# Altium PCB CU-ON-OFF-V2-08-11-18.PcbDoc (part 5 of 14) (continued)
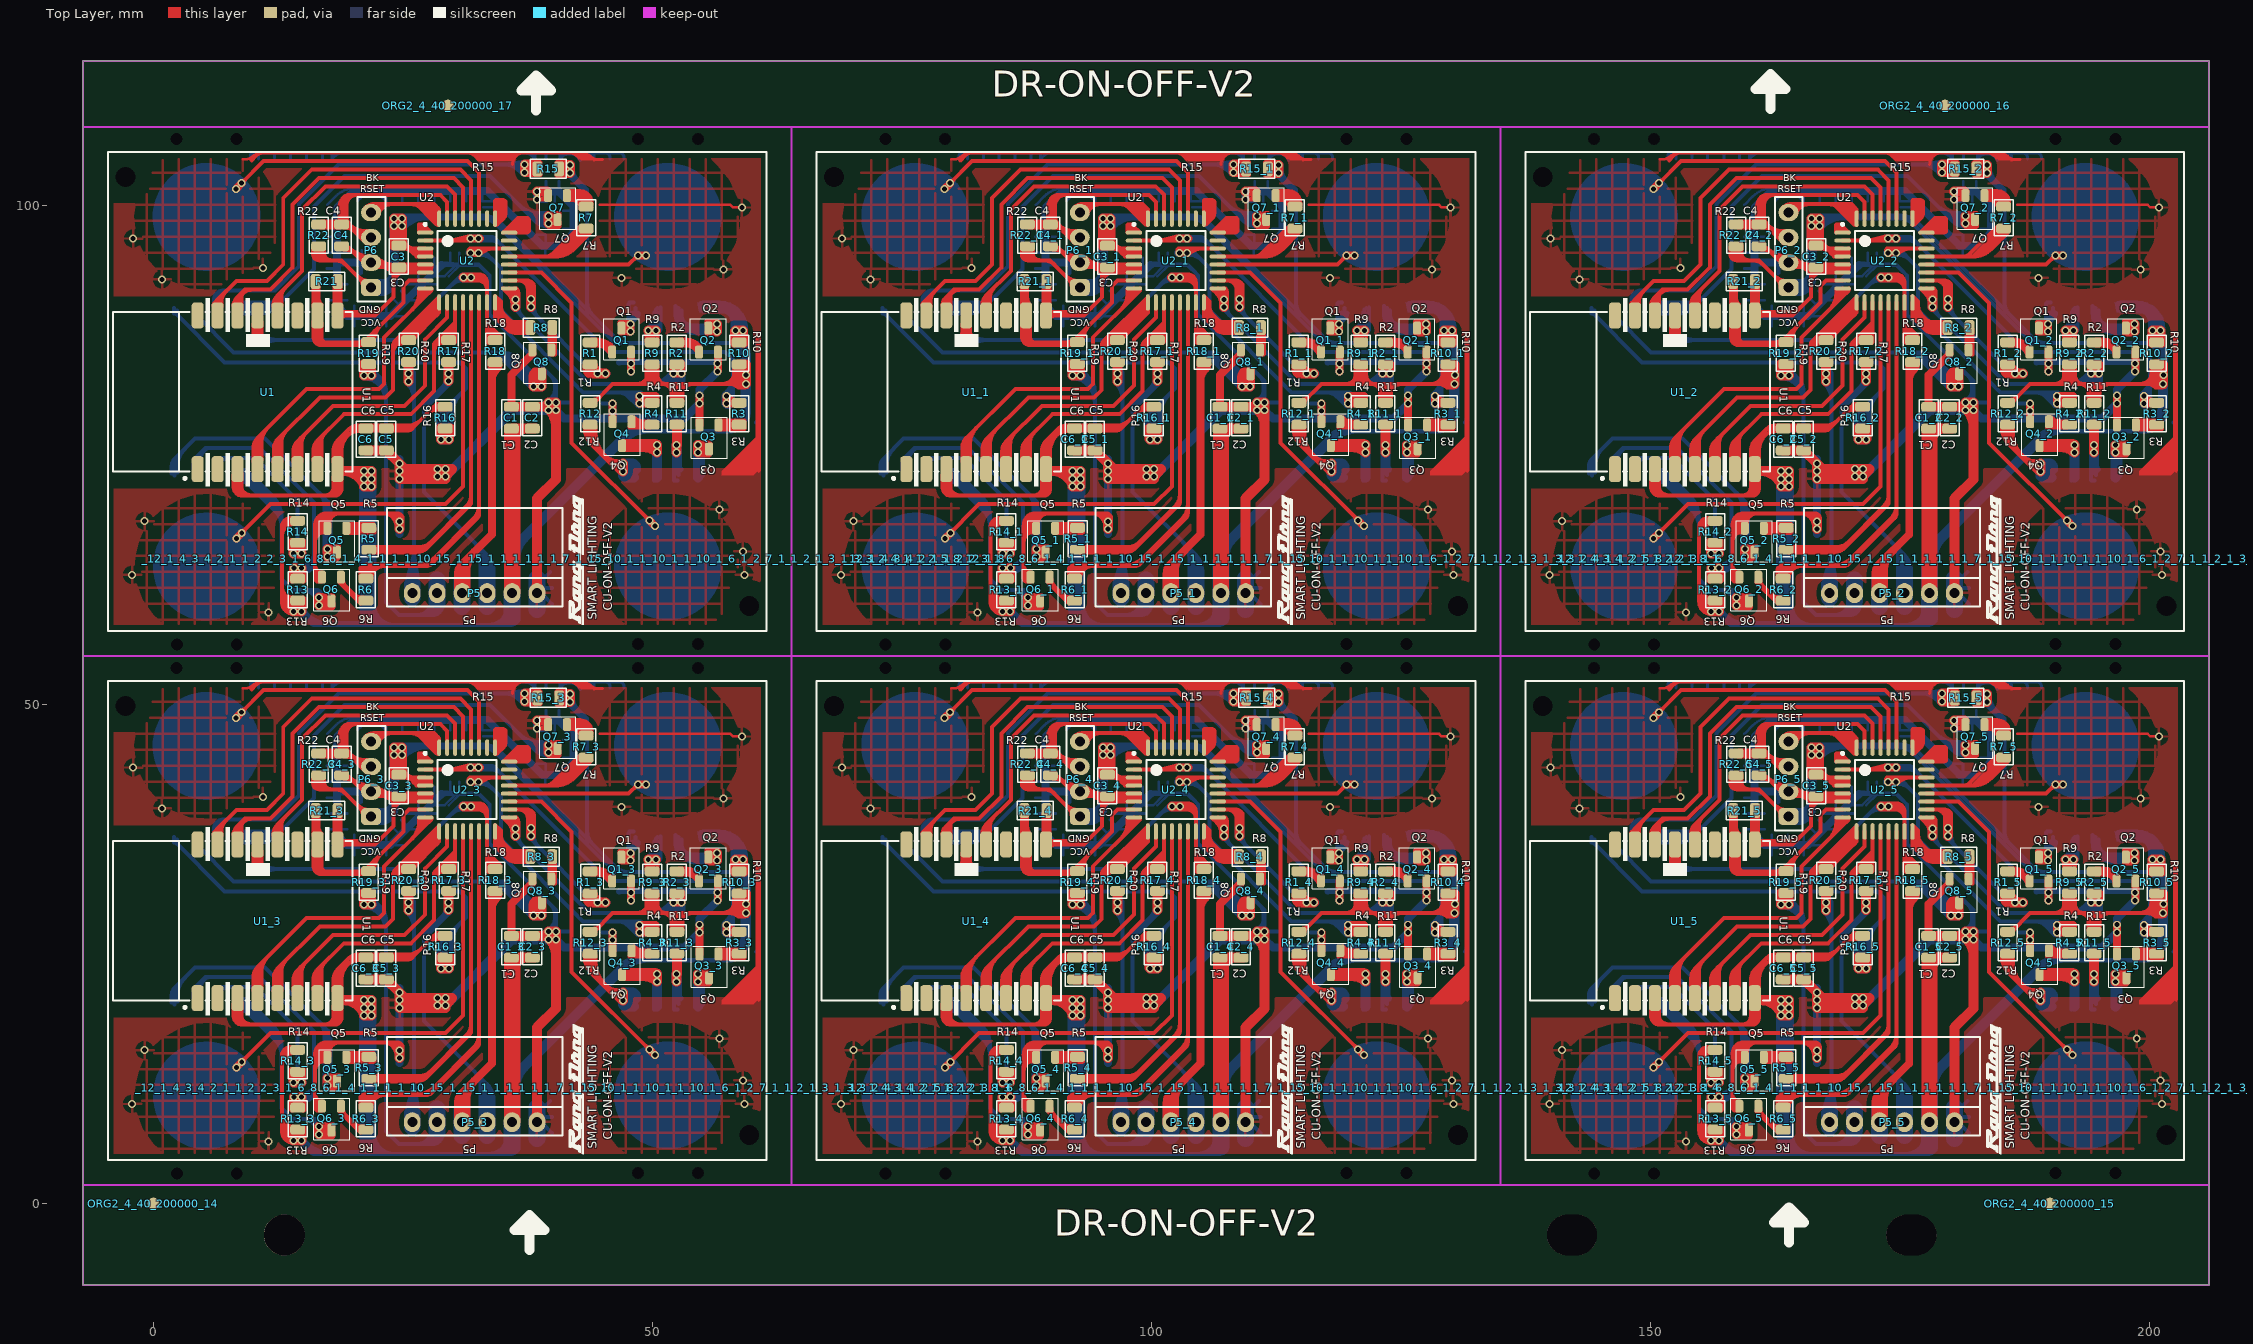
[diagram p0: Top Layer view]
## Nets (pads, with @x,y where several pads share a name; then routed paths per layer and width w, separated by ;. In a path a pad name is that pad's centre, name@x,y a point inside that pad or via, vN(x,y) a via of type N, cw(c..) or ccw(c..) an arc to the next point about the centre after c; other vN are vias at no path point) (continued)
108.766,85.281 ; 108.504,24.42 ccw(c107.992,23.908) 107.992,24.632 ; 108.504,24.844 cw(c107.992,25.356) 107.992,24.632 ; 108.504,26.62 ccw(c107.992,26.108) 107.992,26.832 ccw(c107.992,27.556) 108.504,27.044 ; 108.504,77.419 ccw(c107.992,76.907) 107.992,77.631 ; 108.504,77.843 cw(c107.992,78.355) 107.992,77.631 ; 108.504,79.619 ccw(c107.992,79.107) 107.992,79.831 ccw(c107.992,80.555) 108.504,80.043 ; 108.516,37.332 108.516,38.639 ccw(c107.748,38.639) 108.291,39.182 ccw(c107.567,38.458) 107.567,39.482 106.641,39.482 108.291,39.482 ; 108.516,90.331 108.516,91.638 ccw(c107.748,91.638) 108.291,92.181 ccw(c107.567,91.457) 107.567,92.481 106.641,92.481 108.291,92.481 ; v1@108.674,36.973 ccw(c108.333,37.315) 108.816,37.315 ccw(c109.299,37.315) v1@108.957,36.973 ; v1@108.674,37.466 cw(c108.333,37.124) 108.816,37.124 cw(c109.299,37.124) v1@108.957,37.466 ; v1@108.674,37.748 ccw(c108.333,38.09) 108.816,38.09 ccw(c109.299,38.09) v1@108.957,37.748 ; v1@108.674,89.972 ccw(c108.333,90.314) 108.816,90.314 ccw(c109.299,90.314) v1@108.957,89.972 ; v1@108.674,90.465 cw(c108.333,90.123) 108.816,90.123 cw(c109.299,90.123) v1@108.957,90.465 ; v1@108.674,90.747 ccw(c108.333,91.089) 108.816,91.089 ccw(c109.299,91.089) v1@108.957,90.747 ; v1@108.698,36.994 ccw(c108.563,37.18) v1@108.785,37.239 ; v1@108.698,89.993 ccw(c108.563,90.179) v1@108.785,90.238 ; 108.716,34.207 107.407,34.207 cw(c107.407,35.573) 106.441,34.607 ; 108.716,87.206 107.407,87.206 cw(c107.407,88.572) 106.441,87.606 ; 108.766,34.607 106.441,34.607 ; 108.766,87.606 106.441,87.606 ; v1(108.816,36.832) 108.816,38.957 108.291,39.482 ; v1(108.816,89.831) 108.816,91.956 108.291,92.481 ; v1@108.847,37.239 ccw(c109.069,37.18) v1@108.934,36.994 ; v1@108.847,90.238 ccw(c109.069,90.179) v1@108.934,89.993 ; 108.926,50.713 108.982,50.657 ; 108.926,103.712 108.982,103.656 ; 108.966,32.107 108.966,32.532 ; 108.966,85.106 108.966,85.531 ; 108.981,8.767 ccw(c107.872,9.876) 109.441,9.876 ccw(c111.01,9.876) 109.901,8.767 ; 108.981,61.766 ccw(c107.872,62.875) 109.441,62.875 ccw(c111.01,62.875) 109.901,61.766 ; 109.057,26.832 ccw(c109.057,28.766) v1@110.425,27.398 ; 109.057,79.831 ccw(c109.057,81.765) v1@110.425,80.397 ; v1@109.116,37.357 109.116,38.93 ccw(c108.689,38.93) 108.991,39.232 ccw(c108.387,38.628) 108.387,39.482 108.291,39.482 ; v1@109.116,90.356 109.116,91.929 ccw(c108.689,91.929) 108.991,92.231 ccw(c108.387,91.627) 108.387,92.481 108.291,92.481 ; 109.216,50.057 109.281,50.057 cw(c109.281,49.972) 109.341,50.032 109.706,50.032 ccw(c109.706,50.117) 109.766,50.057 109.766,51.297 ccw(c109.681,51.297) 109.741,51.357 ccw(c109.62,51.236) 109.62,51.407 ; 109.216,103.056 109.281,103.056 cw(c109.281,102.971) 109.341,103.031 109.706,103.031 ccw(c109.706,103.116) 109.766,103.056 109.766,104.296 ccw(c109.681,104.296) 109.741,104.356 ccw(c109.62,104.235) 109.62,104.406 ; 109.238,26.832 cw(c109.238,25.154) 110.425,26.341 cw(c108.876,24.792) 111.066,24.792 ; 109.238,79.831 cw(c109.238,78.153) 110.425,79.34 cw(c108.876,77.791) 111.066,77.791 ; 109.241,24.332 108.259,24.332 ccw(c108.259,23.564) 107.716,24.107 ; 109.241,77.331 108.259,77.331 ccw(c108.259,76.563) 107.716,77.106 ; 109.254,50.445 ccw(c108.742,49.933) 108.742,50.657 ccw(c108.742,51.381) 109.254,50.869 ; 109.254,103.444 ccw(c108.742,102.932) 108.742,103.656 ccw(c108.742,104.38) 109.254,103.868 ; v1(109.416,47.607) 110.691,47.607 110.541,47.757 110.541,47.982 ; v1(109.416,100.606) 110.691,100.606 110.541,100.756 110.541,100.981 ; 109.428,26.62 cw(c109.94,26.108) 109.94,26.832 cw(c109.94,27.556) 109.428,27.044 ; 109.428,79.619 cw(c109.94,79.107) 109.94,79.831 cw(c109.94,80.555) 109.428,80.043 ; 109.466,50.657 108.982,50.657 ; 109.466,103.656 108.982,103.656 ; v1@109.525,47.775 ccw(c109.89,48.337) 110.064,47.689 ; v1@109.525,100.774 ccw(c109.89,101.336) 110.064,100.688 ; v1@109.557,47.466 cw(c109.899,47.124) 109.899,47.607 cw(c109.899,48.09) v1@109.557,47.748 ; v1@109.557,100.465 cw(c109.899,100.123) 109.899,100.606 cw(c109.899,101.089) v1@109.557,100.747 ; v1@109.725,29.023 ccw(c109.262,29.486) 109.916,29.486 ; v1@109.725,82.022 ccw(c109.262,82.485) 109.916,82.485 ; v1@109.756,47.607 ccw(c109.756,48.517) 110.4,47.873 ; v1@109.756,100.606 ccw(c109.756,101.516) 110.4,100.872 ; 109.775,29.741 cw(c109.433,29.399) 109.916,29.399 cw(c110.399,29.399) 110.057,29.741 ; 109.775,82.74 cw(c109.433,82.398) 109.916,82.398 cw(c110.399,82.398) 110.057,82.74 ; 109.916,30.132 109.916,28.907 v1@109.941,28.882 ; 109.916,83.131 109.916,81.906 v1@109.941,81.881 ; 110.023,26.832 ccw(c110.023,27.8) v1@110.707,27.116 ; 110.023,79.831 ccw(c110.023,80.799) v1@110.707,80.115 ; 110.116,30.582 cw(c109.995,30.461) 110.166,30.461 110.166,29.582 ; 110.116,83.581 cw(c109.995,83.46) 110.166,83.46 110.166,82.581 ; 110.204,26.832 cw(c110.204,26.12) 110.707,26.623 cw(c109.842,25.758) 111.066,25.758 ; 110.204,79.831 cw(c110.204,79.119) 110.707,79.622 cw(c109.842,78.757) 111.066,78.757 ; 110.341,41.882 ccw(c110.341,42.848) 111.024,42.165 113.816,44.957 ; 110.341,94.881 ccw(c110.341,95.847) 111.024,95.164 113.816,97.956 ; v1@110.369,27.29 ccw(c110.887,27.204) v1@110.515,26.833 ; v1@110.369,80.289 ccw(c110.887,80.203) v1@110.515,79.832 ; v1@110.405,45.284 cw(c110.963,44.911) 110.963,45.582 ; v1@110.405,98.283 cw(c110.963,97.91) 110.963,98.581 ; v1@110.412,45.827 ccw(c110.906,46.202) 110.906,45.582 ; v1@110.412,98.826 ccw(c110.906,99.201) 110.906,98.581 ; v1@110.566,44.857 111.57,44.857 ccw(c111.57,45.028) 111.691,44.907 111.691,45.332 ; v1@110.566,46.257 111.606,46.257 cw(c111.606,46.172) 111.666,46.232 cw(c111.606,46.172) 111.691,46.172 111.691,45.907 ; v1@110.566,97.856 111.57,97.856 ccw(c111.57,98.027) 111.691,97.906 111.691,98.331 ; v1@110.566,99.256 111.606,99.256 cw(c111.606,99.171) 111.666,99.231 cw(c111.606,99.171) 111.691,99.171 111.691,98.906 ; v1@110.571,45.748 cw(c110.571,45.265) 110.912,45.607 cw(c111.254,45.948) v1@110.771,45.948 ; v1(110.571,45.948) 110.937,45.582 111.491,45.582 ; v1@110.571,98.747 cw(c110.571,98.264) 110.912,98.606 cw(c111.254,98.947) v1@110.771,98.947 ; v1(110.571,98.947) 110.937,98.581 111.491,98.581 ; 110.666,32.632 110.666,34.597 cw(c110.751,34.597) 110.691,34.657 ; 110.666,85.631 110.666,87.596 cw(c110.751,87.596) 110.691,87.656 ; v1@110.679,26.317 cw(c110.851,26.068) v1@111.066,26.282 ; v1@110.679,79.316 cw(c110.851,79.067) v1@111.066,79.281 ; 110.725,32.923 ccw(c110.142,33.506) 110.966,33.506 ; 110.725,85.922 ccw(c110.142,86.505) 110.966,86.505 ; 110.754,34.295 cw(c110.242,33.783) 110.966,33.783 cw(c111.69,33.783) 111.178,34.295 ; 110.754,87.294 cw(c110.242,86.782) 110.966,86.782 cw(c111.69,86.782) 111.178,87.294 ; v1@110.763,27.224 ccw(c111.832,27.048) v1@111.066,26.282 ; v1@110.763,80.223 ccw(c111.832,80.047) v1@111.066,79.281 ; 110.866,32.082 111.241,32.082 ccw(c111.181,32.142) 111.266,32.142 111.266,34.607 ; 110.866,32.332 110.966,32.432 110.966,34.607 ; 110.866,85.081 111.241,85.081 ccw(c111.181,85.141) 111.266,85.141 111.266,87.606 ; 110.866,85.331 110.966,85.431 110.966,87.606 ; 111.066,25.335 cw(c112.488,25.335) v1@111.482,26.341 ; 111.066,46.232 cw(c111.006,46.172) 111.091,46.172 111.091,44.907 ; 111.066,78.334 cw(c112.488,78.334) v1@111.482,79.34 ; 111.066,99.231 cw(c111.006,99.171) 111.091,99.171 111.091,97.906 ; v1@111.27,26.669 cw(c111.019,27.336) 110.516,26.832 111.341,26.007 ; v1@111.27,79.668 cw(c111.019,80.334) v1@110.516,79.831 ; 111.341,79.006 v1@110.516,79.831 ; 111.35,45.441 ccw(c111.008,45.099) 111.008,45.582 ccw(c111.008,46.065) 111.35,45.723 ; 111.35,98.44 ccw(c111.008,98.098) 111.008,98.581 ccw(c111.008,99.064) 111.35,98.722 ; 111.366,50.257 111.366,50.067 ccw(c111.451,50.067) 111.391,50.007 ccw(c111.512,50.128) 111.512,49.957 111.841,49.957 ; 111.366,103.256 111.366,103.066 ccw(c111.451,103.066) 111.391,103.006 ccw(c111.512,103.127) 111.512,102.956 111.841,102.956 ; 111.391,51.007 111.391,51.122 ccw(c111.306,51.122) 111.366,51.182 111.366,51.247 cw(c111.451,51.247) 111.391,51.307 cw(c111.451,51.247) 111.451,51.332 111.791,51.332 ; 111.391,104.006 111.391,104.121 ccw(c111.306,104.121) 111.366,104.181 111.366,104.246 cw(c111.451,104.246) 111.391,104.306 cw(c111.451,104.246) 111.451,104.331 111.791,104.331 ; 111.666,50.996 111.666,50.657 112.049,51.04 v1(112.722,51.04) ; 111.666,103.995 111.666,103.656 112.049,104.039 v1(112.722,104.039) ; 111.878,50.695 cw(c112.711,49.862) v1@112.711,51.04 ; 111.878,103.694 cw(c112.711,102.861) v1@112.711,104.039 ; 112.216,42.807 114.091,44.682 114.516,44.682 ; 112.216,95.806 114.091,97.681 114.516,97.681 ; 112.249,50.916 cw(c112.376,50.44) v1@112.622,50.867 ; 112.249,103.915 cw(c112.376,103.439) v1@112.622,103.866 ; 112.262,50.92 ccw(c112.14,51.377) v1@112.549,51.14 ; 112.262,103.919 ccw(c112.14,104.375) v1@112.549,104.139 ; 112.291,42.882 111.291,41.882 ; 112.291,47.532 113.104,47.532 cw(c113.104,47.02) 113.466,47.382 113.551,47.297 cw(c112.911,46.657) 113.816,46.657 ; 112.291,95.881 111.291,94.881 ; 112.291,100.531 113.104,100.531 cw(c113.104,100.019) 113.466,100.381 113.551,100.296 cw(c112.911,99.656) 113.816,99.656 ; 112.416,48.307 ccw(c112.416,48.548) 112.587,48.378 cw(c112.718,48.247) 112.718,48.432 113.721,48.432 cw(c113.721,47.237) 114.566,48.082 cw(c113.721,47.237) 114.916,47.237 114.916,47.082 ; 112.416,101.306 ccw(c112.416,101.547) 112.587,101.377 cw(c112.718,101.246) 112.718,101.431 113.721,101.431 cw(c113.721,100.236) 114.566,101.081 cw(c113.721,100.236) 114.916,100.236 114.916,100.081 ; 112.441,47.982 113.416,47.982 ; 112.441,100.981 113.416,100.981 ; v1@112.581,50.899 ccw(c112.24,50.557) 112.24,51.04 ccw(c112.24,51.523) v1@112.581,51.181 ; v1@112.581,103.898 ccw(c112.24,103.556) 112.24,104.039 ccw(c112.24,104.522) v1@112.581,104.18 ; 112.582,47.841 cw(c112.924,47.499) 112.924,47.982 cw(c112.924,48.465) 112.582,48.123 ; 112.582,100.84 cw(c112.924,100.498) 112.924,100.981 cw(c112.924,101.464) 112.582,101.122 ; 113.561,44.152 cw(c114.116,43.597) 114.116,44.382 ; 113.561,97.151 cw(c114.116,96.596) 114.116,97.381 ; 113.621,44.213 ccw(c113.152,44.682) 113.816,44.682 ; 113.621,97.212 ccw(c113.152,97.681) 113.816,97.681 ; 113.817,46.904 ccw(c112.44,47.005) 113.416,47.982 ; 113.817,99.903 ccw(c112.44,100.004) 113.416,100.981 ; 114.216,24.957 114.216,24.76 ; 114.216,30.982 114.216,30.611 ccw(c115.069,30.611) 114.466,30.007 ccw(c114.768,30.309) 114.768,29.882 v1@116.166,29.882 ; 114.216,77.956 114.216,77.759 ; 114.216,83.981 114.216,83.61 ccw(c115.069,83.61) 114.466,83.006 ccw(c114.768,83.308) 114.768,82.881 v1@116.166,82.881 ; 114.441,25.307 114.441,24.44 ccw(c115.124,24.44) 114.641,23.957 ; 114.441,78.306 114.441,77.439 ccw(c115.124,77.439) 114.641,76.956 ; 114.516,46.882 113.416,47.982 ; 114.516,99.881 113.416,100.981 ; 114.554,24.82 cw(c114.042,24.308) 114.766,24.308 cw(c115.49,24.308) 114.978,24.82 ; 114.554,77.819 cw(c114.042,77.307) 114.766,77.307 cw(c115.49,77.307) 114.978,77.819 ; 114.613,30.824 cw(c114.453,30.555) 114.766,30.555 ; 114.613,83.823 cw(c114.453,83.554) 114.766,83.554 ; 114.766,25.032 114.766,23.432 ; 114.766,27.232 115.141,27.232 117.009,29.1 v1(130.358,29.1) v1(130.383,30.025) v1@130.383,30.39 ; 114.766,31.082 114.766,30.555 ; 114.766,33.282 115.991,33.282 116.966,32.307 ; 114.766,78.031 114.766,76.431 ; 114.766,80.231 115.141,80.231 117.009,82.099 v1(130.358,82.099) v1(130.383,83.024) v1@130.383,83.389 ; 114.766,84.081 114.766,83.554 ; 114.766,86.281 115.991,86.281 116.966,85.306 ; 114.891,33.557 115.131,33.557 ccw(c115.131,33.642) 115.191,33.582 115.245,33.582 cw(c115.245,30.936) 117.116,32.807 ; 114.891,44.382 113.169,42.66 cw(c111.291,44.538) 111.291,41.882 ; 114.891,86.556 115.131,86.556 ccw(c115.131,86.641) 115.191,86.581 115.245,86.581 cw(c115.245,83.935) 117.116,85.806 ; 114.891,97.381 113.169,95.659 cw(c111.291,97.537) 111.291,94.881 ; 114.916,32.982 115.531,32.982 cw(c115.531,31.872) 116.316,32.657 116.554,32.419 cw(c116.042,31.907) 116.766,31.907 ; 114.916,85.981 115.531,85.981 cw(c115.531,84.871) 116.316,85.656 116.554,85.418 cw(c116.042,84.906) 116.766,84.906 ; 114.919,30.824 ccw(c115.079,30.555) 114.766,30.555 ; 114.919,83.823 ccw(c115.079,83.554) 114.766,83.554 ; 115.016,25.157 115.016,23.817 ccw(c115.763,23.817) 115.235,23.288 cw(c114.979,23.032) 115.341,23.032 ; 115.016,27.532 ccw(c115.016,28.558) 115.741,27.833 ; 115.016,78.156 115.016,76.816 ccw(c115.763,76.816) 115.235,76.287 cw(c114.979,76.031) 115.341,76.031 ; 115.016,80.531 ccw(c115.016,81.557) 115.741,80.832 ; v1@115.158,30.163 114.766,30.555 ; v1@115.158,83.162 114.766,83.554 ; 115.228,33.07 cw(c115.74,32.558) 115.74,33.282 cw(c115.74,34.006) 115.228,33.494 ; 115.228,86.069 cw(c115.74,85.557) 115.74,86.281 cw(c115.74,87.005) 115.228,86.493 ; 115.316,24.832 115.316,24.152 ccw(c118.382,24.152) 116.214,21.984 116.341,21.857 ccw(c117.427,22.943) 117.427,21.407 v1@118.091,21.407 ; 115.316,27.232 cw(c115.738,27.232) 115.44,27.531 ; 115.316,31.132 ccw(c115.98,31.132) 115.51,30.663 ccw(c116.007,31.159) 116.007,30.457 v1@116.241,30.457 ; 115.316,77.831 115.316,77.151 ccw(c118.382,77.151) 116.214,74.983 116.341,74.856 ccw(c117.427,75.942) 117.427,74.406 v1@118.091,74.406 ; 115.316,80.231 cw(c115.738,80.231) 115.44,80.53 ; 115.316,84.131 ccw(c115.98,84.131) 115.51,83.662 ccw(c116.007,84.158) 116.007,83.456 v1@116.241,83.456 ; v1@115.466,30.364 cw(c115.284,31.073) 114.766,30.555 ; v1@115.466,83.363 cw(c115.284,84.072) 114.766,83.554 ; 116.198,33.075 ccw(c116.966,33.843) 116.966,32.757 ; 116.198,86.074 ccw(c116.966,86.842) 116.966,85.756 ; v1@116.866,26.259 cw(c116.506,25.898) 117.016,25.898 ; v1@116.866,26.541 ccw(c116.506,26.902) v1@117.016,26.902 ; v1@116.866,27.034 cw(c116.506,26.673) v1@117.016,26.673 ; v1@116.866,79.258 cw(c116.506,78.897) 117.016,78.897 ; v1@116.866,79.54 ccw(c116.506,79.901) v1@117.016,79.901 ; v1@116.866,80.033 cw(c116.506,79.672) v1@117.016,79.672 ; 116.875,25.723 ccw(c116.533,26.065) 117.016,26.065 ccw(c117.499,26.065) 117.157,25.723 ; 116.875,78.722 ccw(c116.533,79.064) 117.016,79.064 ccw(c117.499,79.064) 117.157,78.722 ; v1@116.898,26.233 cw(c116.772,26.041) 116.994,25.982 ; v1@116.898,79.232 cw(c116.772,79.04) 116.994,78.981 ; v1(117.008,27.175) v1@117.016,27.167 ; v1(117.008,80.174) v1@117.016,80.166 ; 117.016,25.937 cw(c117.471,25.937) v1@117.149,26.259 ; v1@117.016,26.712 cw(c117.471,26.712) v1@117.149,27.034 ; v1@117.016,26.864 ccw(c117.471,26.864) v1@117.149,26.541 ; 117.016,78.936 cw(c117.471,78.936) v1@117.149,79.258 ; v1@117.016,79.711 cw(c117.471,79.711) v1@117.149,80.033 ; v1@117.016,79.862 ccw(c117.471,79.862) v1@117.149,79.54 ; v1@117.044,26.758 cw(c117.284,26.822) v1@117.131,27.018 ; v1@117.044,79.757 cw(c117.284,79.821) v1@117.131,80.016 ; 117.045,25.956 cw(c117.32,26.029) v1@117.137,26.247 ; 117.045,78.955 cw(c117.32,79.028) v1@117.137,79.246 ; 117.716,34.207 ccw(c117.837,34.328) 117.837,34.157 v1@118.816,34.157 ; 117.716,35.057 117.716,35.307 cw(c117.776,35.247) 117.776,35.332 v1@118.791,35.332 ; 117.716,87.206 ccw(c117.837,87.327) 117.837,87.156 v1@118.816,87.156 ; 117.716,88.056 117.716,88.306 cw(c117.776,88.246) 117.776,88.331 v1@118.791,88.331 ; 117.782,34.808 ccw(c118.13,35.195) 118.498,34.827 ; 117.782,87.807 ccw(c118.13,88.194) 118.498,87.826 ; 117.791,23.182 121.545,23.182 ccw(c121.545,23.353) 121.666,23.232 ccw(c121.304,22.87) 121.304,23.382 117.966,23.382 ; 117.791,76.181 121.545,76.181 ccw(c121.545,76.352) 121.666,76.231 ccw(c121.304,75.869) 121.304,76.381 117.966,76.381 ; v1@117.917,20.984 ccw(c117.575,20.642) 117.575,21.125 ccw(c117.575,21.608) v1@117.917,21.266 ; v1@117.917,73.983 ccw(c117.575,73.641) 117.575,74.124 ccw(c117.575,74.607) v1@117.917,74.265 ; 117.966,22.932 121.39,22.932 v1(121.458,23) ; 117.966,75.931 121.39,75.931 v1(121.458,75.999) ; 118.05,35.106 ccw(c118.413,35.508) v1(118.796,35.125) 118.378,34.707 ; 118.05,88.105 ccw(c118.413,88.507) v1(118.796,88.124) 118.378,87.706 ; v1(118.058,21.125) 117.073,21.125 114.766,23.432 ; v1(118.058,74.124) 117.073,74.124 114.766,76.431 ; 118.062,34.57 cw(c118.378,34.274) 118.378,34.707 ; 118.062,34.844 ccw(c118.378,35.141) 118.378,34.707 ; 118.062,87.569 cw(c118.378,87.272) 118.378,87.706 ; 118.062,87.843 ccw(c118.378,88.139) 118.378,87.706 ; 118.091,22.507 118.106,22.507 cw(c118.106,22.422) 118.166,22.482 120.155,22.482 cw(c120.155,20.946) v1@121.241,22.032 ; 118.091,75.506 118.106,75.506 cw(c118.106,75.421) 118.166,75.481 120.155,75.481 cw(c120.155,73.945) v1@121.241,75.031 ; 118.107,22.791 cw(c118.449,22.449) 118.449,22.932 cw(c118.449,23.415) 118.107,23.073 ; 118.107,75.79 cw(c118.449,75.448) 118.449,75.931 cw(c118.449,76.414) 118.107,76.072 ; 118.21,34.661 ccw(c117.791,35.387) v1@118.602,35.176 ; 118.21,87.66 ccw(c117.791,88.386) v1@118.602,88.174 ; 118.291,22.682 120.623,22.682 cw(c120.623,21.914) v1@121.166,22.457 ; 118.291,75.681 120.623,75.681 cw(c120.623,74.913) v1@121.166,75.456 ; 118.443,34.796 ccw(c118.287,35.066) v1@118.597,35.102 ; 118.443,87.795 ccw(c118.287,88.065) v1@118.597,88.101 ; 118.485,34.707 ccw(c118.485,35.237) v1@118.984,35.057 ; 118.485,87.706 ccw(c118.485,88.236) v1@118.984,88.056 ; 118.548,34.707 cw(c118.548,34.233) v1@118.977,34.436 ; 118.548,87.706 cw(c118.548,87.232) v1@118.977,87.435 ; v1@118.596,35.125 cw(c118.113,35.125) 118.455,34.784 cw(c118.796,34.442) v1@118.796,34.925 ; v1@118.596,88.124 cw(c118.113,88.124) 118.455,87.783 cw(c118.796,87.441) v1@118.796,87.924 ; v1@118.608,35.193 cw(c117.916,35.442) 117.916,34.707 ; v1@118.608,88.192 cw(c117.916,88.441) 117.916,87.706 ; v1@118.615,34.264 ccw(c117.916,33.933) 117.916,34.707 ; v1@118.615,87.263 ccw(c117.916,86.932) 117.916,87.706 ; v1@118.717,30.516 ccw(c118.356,30.877) v1@118.866,30.877 ; v1@118.717,31.009 cw(c118.356,30.648) v1@118.866,30.648 ; v1@118.717,31.291 ccw(c118.356,31.652) 118.866,31.652 ; v1@118.717,83.515 ccw(c118.356,83.876) v1@118.866,83.876 ; v1@118.717,84.008 cw(c118.356,83.647) v1@118.866,83.647 ; v1@118.717,84.29 ccw(c118.356,84.651) 118.866,84.651 ; 118.725,31.916 cw(c118.383,31.574) 118.866,31.574 cw(c119.349,31.574) 119.007,31.916 ; 118.725,84.915 cw(c118.383,84.573) 118.866,84.573 cw(c119.349,84.573) 119.007,84.915 ; 118.741,25.032 118.741,24.817 cw(c118.656,24.817) 118.716,24.757 ccw(c118.776,24.817) 118.776,24.732 120.741,24.732 ; 118.741,78.031 118.741,77.816 cw(c118.656,77.816) 118.716,77.756 ccw(c118.776,77.816) 118.776,77.731 120.741,77.731 ; v1@118.866,30.686 cw(c119.322,30.686) v1@118.999,31.009 ; v1@118.866,30.839 ccw(c119.322,30.839) v1@118.999,30.516 ; 118.866,31.614 ccw(c119.322,31.614) v1@118.999,31.291 ; v1@118.866,83.685 cw(c119.322,83.685) v1@118.999,84.008 ; v1@118.866,83.838 ccw(c119.322,83.838) v1@118.999,83.515 ; 118.866,84.613 ccw(c119.322,84.613) v1@118.999,84.29 ; v1@118.894,30.792 ccw(c119.134,30.728) v1@118.981,30.533 ; v1@118.894,83.791 ccw(c119.134,83.727) v1@118.981,83.532 ; 118.916,25.332 120.666,25.332 ; 118.916,78.331 120.666,78.331 ; 119.057,25.191 cw(c119.399,24.849) 119.399,25.332 cw(c119.399,25.815) 119.057,25.473 ; 119.057,78.19 cw(c119.399,77.848) 119.399,78.331 cw(c119.399,78.814) 119.057,78.472 ; 119.166,25.757 ccw(c120.192,26.783) 120.192,25.332 120.666,25.332 ; 119.166,78.756 ccw(c120.192,79.782) 120.192,78.331 120.666,78.331 ; 119.182,41.644 cw(c119.558,41.269) v1@119.558,41.8 ; 119.182,94.643 cw(c119.558,94.268) v1@119.558,94.799 ; 119.231,41.693 ccw(c118.923,42) v1@119.358,42 ; 119.231,94.692 ccw(c118.923,94.999) v1@119.358,94.999 ; 119.267,25.332 cw(c119.267,23.584) 120.504,24.82 ; 119.267,78.331 cw(c119.267,76.583) 120.504,77.819 ; 119.391,29.1 119.404,29.1 ccw(c119.404,30.319) 120.266,29.457 ccw(c119.904,29.819) 120.416,29.819 120.416,31.107 ; 119.391,82.099 119.404,82.099 ccw(c119.404,83.318) 120.266,82.456 ccw(c119.904,82.818) 120.416,82.818 120.416,84.106 ; 119.585,25.247 ccw(c119.48,24.852) 119.101,25.006 120.382,25.006 cw(c120.382,24.923) 120.441,24.982 ; 119.585,78.246 ccw(c119.48,77.851) 119.101,78.005 120.382,78.005 cw(c120.382,77.922) 120.441,77.981 ; v1(119.694,27.139) 119.788,27.232 120.966,27.232 ; v1(119.694,80.137) 119.788,80.231 120.966,80.231 ; v1@119.794,27.312 ccw(c120.013,27.69) 120.126,27.268 ; v1@119.794,80.311 ccw(c120.013,80.689) 120.126,80.267 ; v1@119.836,26.997 cw(c120.403,26.43) 120.403,27.232 ; v1@119.836,79.996 cw(c120.403,79.429) 120.403,80.231 ; v1@119.868,27.039 cw(c120.325,26.774) 120.189,27.285 ; v1@119.868,80.037 cw(c120.325,79.773) 120.189,80.284 ; 120.233,25.332 cw(c120.233,24.549) 120.787,25.103 ; 120.233,78.331 cw(c120.233,77.548) 120.787,78.102 ; v1@120.316,34.357 cw(c120.075,34.116) 120.416,34.116 120.416,33.382 ; v1@120.316,87.356 cw(c120.075,87.115) 120.416,87.115 120.416,86.381 ; v1@120.454,34.322 cw(c119.528,33.222) 120.966,33.222 ; v1@120.454,87.321 cw(c119.528,86.221) 120.966,86.221 ; 120.504,27.02 ccw(c119.992,26.508) 119.992,27.232 ccw(c119.992,27.956) 120.504,27.444 ; 120.504,80.019 ccw(c119.992,79.507) 119.992,80.231 ccw(c119.992,80.955) 120.504,80.443 ; v1@120.505,34.291 ccw(c120.711,34.777) v1@121.174,34.525 ; v1@120.505,87.29 ccw(c120.711,87.776) v1@121.174,87.524 ; v1@120.508,15.425 ccw(c120.025,15.425) 120.367,15.766 ccw(c120.708,16.108) v1@120.708,15.625 ; v1@120.508,68.424 ccw(c120.025,68.424) 120.367,68.765 ccw(c120.708,69.107) v1@120.708,68.624 ; v1@120.583,34.275 cw(c120.583,33.792) 120.924,34.134 cw(c121.266,34.475) v1@120.783,34.475 ; v1(120.583,34.475) 120.966,34.092 120.966,33.282 ; v1@120.583,87.274 cw(c120.583,86.791) 120.924,87.133 cw(c121.266,87.474) v1@120.783,87.474 ; v1(120.583,87.474) 120.966,87.091 120.966,86.281 ; v1@120.676,15.228 cw(c120.581,14.642) v1@121.095,14.938 ; v1@120.676,68.227 cw(c120.581,67.641) v1@121.095,67.937 ; v1@120.708,15.225 cw(c120.708,14.742) 121.049,15.084 cw(c121.391,15.425) v1@120.908,15.425 ; v1@120.708,68.224 cw(c120.708,67.741) 121.049,68.083 cw(c121.391,68.424) v1@120.908,68.424 ; v1@120.712,34.628 cw(c120.252,34.082) 120.966,34.082 ; v1@120.712,87.627 cw(c120.252,87.081) 120.966,87.081 ; 120.754,30.87 cw(c120.242,30.358) 120.966,30.358 cw(c121.69,30.358) 121.178,30.87 ; 120.754,33.494 ccw(c120.242,34.006) 120.966,34.006 ccw(c121.69,34.006) 121.178,33.494 ; 120.754,83.869 cw(c120.242,83.357) 120.966,83.357 cw(c121.69,83.357) 121.178,83.869 ; 120.754,86.493 ccw(c120.242,87.005) 120.966,87.005 ccw(c121.69,87.005) 121.178,86.493 ; 120.811,22.932 ccw(c120.811,23.647) v1@121.317,23.141 ; 120.811,75.931 ccw(c120.811,76.646) v1@121.317,76.14 ; v1@120.899,15.234 ccw(c121.283,15.618) v1@121.283,15.075 ; v1@120.899,68.233 ccw(c121.283,68.617) v1@121.283,68.074 ; v1@120.905,15.461 ccw(c121.459,15.561) v1@121.177,15.073 ; v1@120.905,68.46 ccw(c121.459,68.56) v1@121.177,68.072 ; v1@120.959,15.174 cw(c120.661,14.875) v1@121.083,14.875 ; v1@120.959,68.173 cw(c120.661,67.874) v1@121.083,67.874 ; 120.966,25.032 120.666,25.332 ; 120.966,29.207 120.966,31.082 ; 120.966,33.219 cw(c122.394,33.219) v1@121.485,34.321 ; 120.966,34.068 cw(c121.694,34.068) v1@121.231,34.629 ; 120.966,78.031 120.666,78.331 ; 120.966,82.206 120.966,84.081 ; 120.966,86.218 cw(c122.394,86.218) v1@121.485,87.32 ; 120.966,87.067 cw(c121.694,87.067) v1@121.231,87.628 ; 121.516,31.007 121.516,29.996 ccw(c122.455,29.996) 121.791,29.332 ccw(c122.351,29.892) 122.351,29.1 122.816,29.1 ; 121.516,33.207 121.516,34.08 cw(c121.943,34.08) v1@121.641,34.382 ; 121.516,84.006 121.516,82.995 ccw(c122.455,82.995) 121.791,82.331 ccw(c122.351,82.891) 122.351,82.099 122.816,82.099 ; 121.516,86.206 121.516,87.079 cw(c121.943,87.079) v1@121.641,87.381 ; 122.066,29.1 cw(c122.066,28.238) 122.675,28.848 cw(c122.155,28.327) 122.891,28.327 122.891,27.382 ; 122.066,82.099 cw(c122.066,81.237) 122.675,81.847 cw(c122.155,81.326) 122.891,81.326 122.891,80.381 ; v1@123.027,30.332 ccw(c122.556,31.082) 123.441,31.082 ; v1@123.027,83.331 ccw(c122.556,84.081) 123.441,84.081 ; v1@123.074,30.354 ccw(c122.872,31.014) 123.539,30.835 ; v1@123.074,83.353 ccw(c122.872,84.013) 123.539,83.834 ; v1(123.133,30.163) 123.441,30.471 ; v1(123.133,83.162) 123.441,83.47 ; v1@123.148,30.362 ccw(c123.176,30.736) 123.441,30.471 ; v1@123.148,83.361 ccw(c123.176,83.735) 123.441,83.47 ; 123.229,24.82 cw(c122.717,24.308) 123.441,24.308 cw(c124.165,24.308) 123.653,24.82 ; 123.229,27.444 ccw(c122.717,27.956) 123.441,27.956 ccw(c124.165,27.956) 123.653,27.444 ; 123.229,77.819 cw(c122.717,77.307) 123.441,77.307 cw(c124.165,77.307) 123.653,77.819 ; 123.229,80.443 ccw(c122.717,80.955) 123.441,80.955 ccw(c124.165,80.955) 123.653,80.443 ; 123.257,30.845 cw(c122.969,30.471) 123.441,30.471 ; 123.257,83.844 cw(c122.969,83.47) 123.441,83.47 ; v1@123.292,23.141 ccw(c122.931,23.502) 123.441,23.502 ; v1@123.292,76.14 ccw(c122.931,76.501) 123.441,76.501 ; v1@123.332,30.178 cw(c123.706,30.206) 123.441,30.471 ; v1@123.332,83.177 cw(c123.706,83.205) 123.441,83.47 ; v1(123.433,23) 123.441,23.008 123.441,25.032 ; v1(123.433,75.999) 123.441,76.007 123.441,78.031 ; 123.441,23.464 ccw(c123.897,23.464) v1@123.574,23.141 ; 123.441,27.232 123.441,29.032 ; 123.441,30.531 ccw(c124.028,30.531) v1@123.846,29.973 ; 123.441,33.282 124.691,33.282 ; 123.441,76.463 ccw(c123.897,76.463) v1@123.574,76.14 ; 123.441,80.231 123.441,82.031 ; 123.441,83.53 ccw(c124.028,83.53) v1@123.846,82.972 ; 123.441,86.281 124.691,86.281 ; 123.616,32.982 124.367,32.982 cw(c124.367,31.718) 125.261,32.612 cw(c124.706,32.057) 125.491,32.057 ; 123.616,85.981 124.367,85.981 cw(c124.367,84.717) 125.261,85.611 cw(c124.706,85.056) 125.491,85.056 ; 123.624,30.845 ccw(c123.913,30.471) 123.441,30.471 ; 123.624,83.844 ccw(c123.913,83.47) 123.441,83.47 ; 123.641,33.557 123.751,33.557 ; 123.641,86.556 123.751,86.556 ; 123.903,33.07 cw(c124.415,32.558) 124.415,33.282 cw(c124.415,34.006) 123.903,33.494 ; 123.903,86.069 cw(c124.415,85.557) 124.415,86.281 cw(c124.415,87.005) 123.903,86.493 ; v1@123.97,30.353 cw(c124.207,31.082) 123.441,31.082 ; v1@123.97,83.352 cw(c124.207,84.081) 123.441,84.081 ; 124.898,33.075 ccw(c125.666,33.843) 125.666,32.757 ; 124.898,86.074 ccw(c125.666,86.842) 125.666,85.756 ; 125.141,29.1 124.919,29.1 ; 125.141,82.099 124.919,82.099 ; v1@125.414,22.892 ccw(c125.935,23.225) 125.935,22.607 ; v1@125.414,75.891 ccw(c125.935,76.224) 125.935,75.606 ; v1@125.416,22.335 cw(c125.922,22.001) 125.922,22.607 ; v1@125.416,75.334 cw(c125.922,75) 125.922,75.606 ; 125.575,25.398 ccw(c125.233,25.74) 125.716,25.74 ccw(c126.199,25.74) 125.857,25.398 ; 125.575,78.397 ccw(c125.233,78.739) 125.716,78.739 ccw(c126.199,78.739) 125.857,78.397 ; v1@125.578,27.02 cw(c125.247,26.688) 125.716,26.688 ; v1@125.578,27.303 ccw(c125.247,27.635) v1@125.716,27.635 ; v1@125.578,27.795 cw(c125.247,27.463) v1@125.716,27.463 ; v1@125.578,80.019 cw(c125.247,79.687) 125.716,79.687 ; v1@125.578,80.302 ccw(c125.247,80.634) v1@125.716,80.634 ; v1@125.578,80.794 cw(c125.247,80.462) v1@125.716,80.462 ; v1(125.583,22.225) 125.965,22.607 126.666,22.607 ; v1@125.583,22.425 ccw(c125.583,22.908) 125.924,22.566 ccw(c126.266,22.225) v1@125.783,22.225 ; v1(125.583,75.224) 125.965,75.606 126.666,75.606 ; v1@125.583,75.424 ccw(c125.583,75.907) 125.924,75.565 ccw(c126.266,75.224) v1@125.783,75.224 ; v1@125.599,27.777 cw(c125.456,27.586) v1@125.686,27.524 ; v1@125.599,80.776 cw(c125.456,80.585) v1@125.686,80.523 ; 125.666,32.307 124.691,33.282 ; 125.666,32.882 ccw(c124.7,31.916) 124.7,33.282 124.691,33.282 ; 125.666,85.306 124.691,86.281 ; 125.666,85.881 ccw(c124.7,84.915) 124.7,86.281 124.691,86.281 ; 125.716,26.669 cw(c126.212,26.669) v1@125.861,27.02 ; v1@125.716,27.444 cw(c126.212,27.444) v1@125.861,27.795 ; v1@125.716,27.654 ccw(c126.212,27.654) v1@125.861,27.303 ; v1@125.716,27.933 v1(125.72,27.937) ; 125.716,79.668 cw(c126.212,79.668) v1@125.861,80.019 ; v1@125.716,80.443 cw(c126.212,80.443) v1@125.861,80.794 ; v1@125.716,80.653 ccw(c126.212,80.653) v1@125.861,80.302 ; v1@125.716,80.932 v1(125.72,80.936) ; v1@125.75,22.115 cw(c126.666,21.508) 126.666,22.607 ; v1@125.75,75.114 cw(c126.666,74.507) 126.666,75.606 ; v1@125.751,23.108 ccw(c126.666,23.692) 126.666,22.607 ; v1@125.751,76.107 ccw(c126.666,76.691) 126.666,75.606 ; 126.416,34.332 126.416,34.228 ccw(c126.587,34.228) 126.466,34.107 ccw(c126.587,34.228) 126.587,34.057 v1@127.491,34.057